# Altium PCB sFMC-98_s1.PcbDoc
Units mm, origin at the board's own origin, x right, y up, seen from the top; angles counter-clockwise.
Board outline 80.35 x 44 mm, 2 copper layers (Top Layer, Bottom Layer); 78 components, 112 nets, 420 pads, 130 vias.
Unrouted connection lines stored in the file: 79.
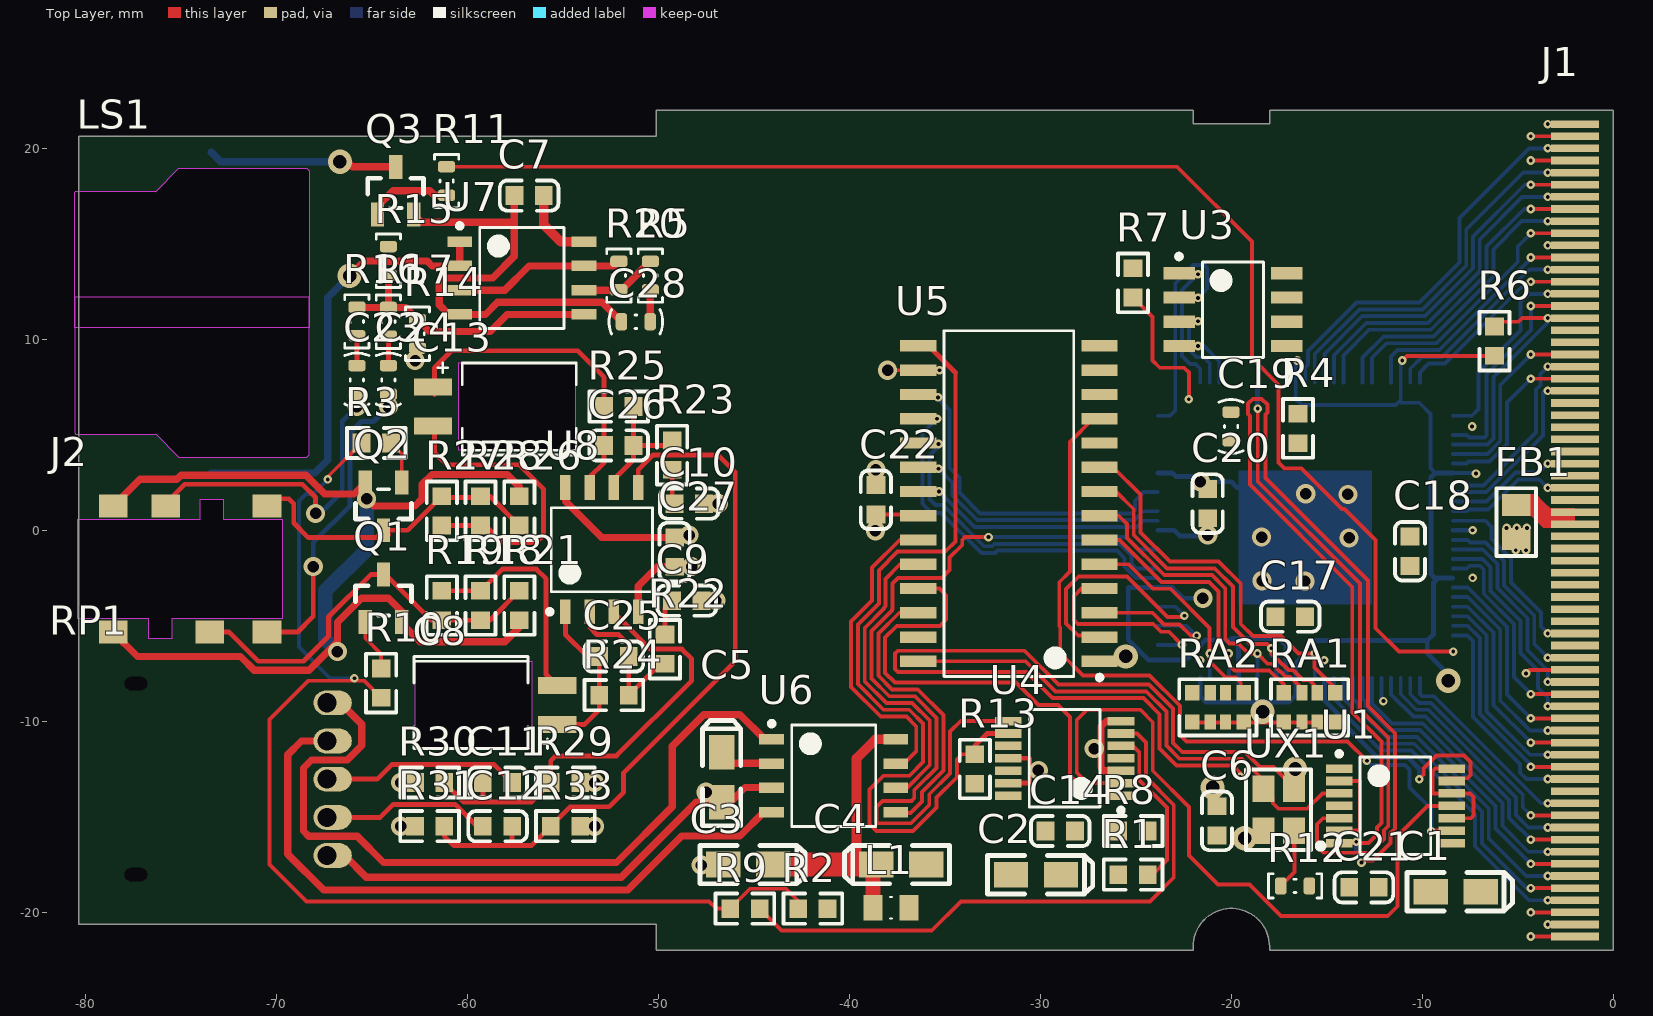
[diagram p0: Top Layer view]
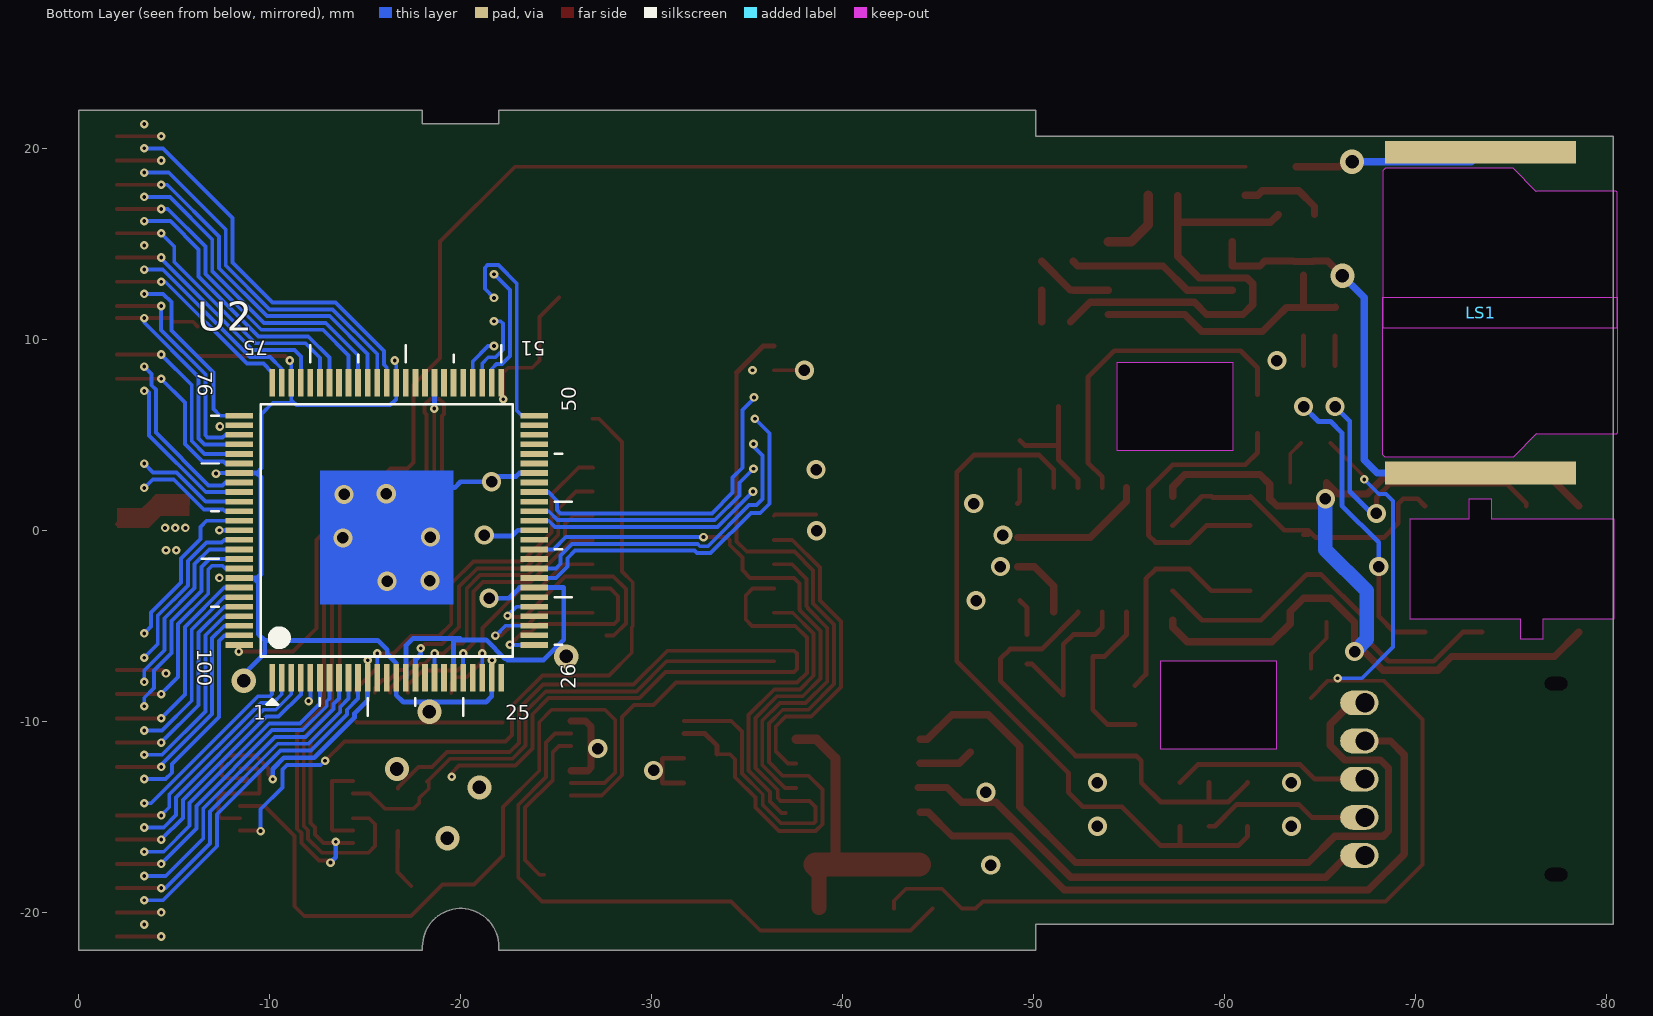
[diagram p1: Bottom Layer view, seen from below]
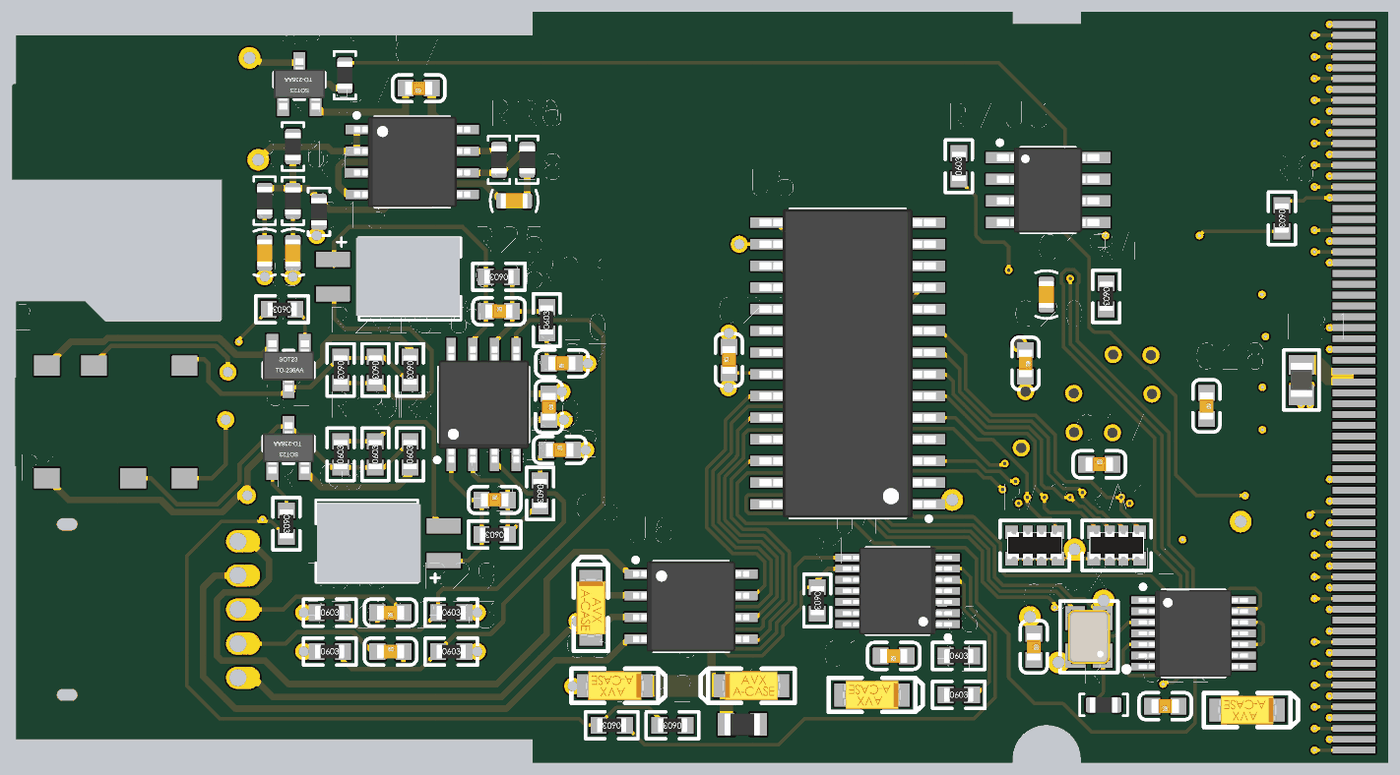
[diagram p2: 3D render of the assembled board from above, using the file's embedded part models]

## Layer stack, top to bottom
Top Solder: solder mask 0.0102, Solder Resist, Dk 3.5
Top Layer: signal copper 0.0356
Dielectric 1: dielectric 0.32, FR-4, Dk 4.8
Bottom Layer: signal copper 0.0356
Bottom Solder: solder mask 0.0102, Solder Resist, Dk 3.5

## Board outline
-80.35,-20.625 -50.1,-20.625 -50.1,-22 -22,-22 -22,-21.8 cw(c-20,-21.8) -18,-21.8 -18,-22 0,-22 0,22 -18,22 -18,21.3 -22,21.3 -22,22 -50.1,22 -50.1,20.625 -80.35,20.625
cut-out: -80.493,5.029 -76.352,5.029 -76.327,5.055 -75.108,3.835 -68.402,3.835 -68.275,3.962 -68.275,12.192 -80.569,12.192 -80.569,5.105
cut-out: -80.493,17.765 -76.352,17.765 -76.327,17.74 -75.108,18.959 -68.402,18.959 -68.275,18.832 -68.275,10.602 -80.569,10.602 -80.569,17.689
cut-out: -73.991,0.568 -73.991,1.618 -72.791,1.618 -72.791,0.568 -69.691,0.568 -69.691,-4.632 -75.491,-4.632 -75.491,-5.682 -76.691,-5.682 -76.691,-4.632 -80.391,-4.632 -80.391,0.568
cut-out: -54.356,4.191 -60.452,4.191 -60.452,8.763 -54.356,8.763
cut-out: -62.738,-6.858 -56.642,-6.858 -56.642,-11.43 -62.738,-11.43

## Design rules (kind name [scope] priority, off if disabled: settings)
Clearance [All] p1: gap=0.152 ignorepadtopadclearanceinfootprint=FALSE except(0: Arc-Hole Track-Hole SMDPad-Hole THPad-Hole Via-Hole Fill-Hole Poly-Hole Region-Hole Text-Hole)
PolygonConnect [All] p1: connectstyle=Relief reliefconductorwidth=0.254 reliefentries=4 polygonreliefangle="90 Angle" airgapwidth=0.254
RoutingVias [All] p1: holewidth=0.711 width=1.27 viastyle="Through Hole" minholewidth=0.711 minwidth=1.27 maxholewidth=0.711 maxwidth=1.27
SolderMaskExpansion [All] p1: expansion=0.102
Width [All] p1: maxlimit=1.27 minlimit=0.102 preferedwidth=0.203 minimp=50.000000 maximp=50.000000 favimp=50.000000
30 further rules are at their usual default settings.

## Components (designator, comment, footprint, x,y, rotation, side; value= is the part's Value field where it differs from the comment)
C1 "10uF (106) ±10% 16V" CASE-A_3216 -8.255,-18.923 r0 top
C2 "10uF (106) ±10% 16V" CASE-A_3216 -30.226,-18.034 r0 top
C3 "10uF (106) ±10% 16V" CASE-A_3216 -45.288,-17.501 r0 top
C4 "10uF (106) ±10% 16V" CASE-A_3216 -37.287,-17.501 r180 top
C5 "10uF (106) ±10% 16V" CASE-A_3216 -46.685,-12.929 r90 top
C6 "100nF (104) 10% 50V" 0603_C -20.752,-15.215 r270 top
C7 "100nF (104) 10% 50V" 0603_C -56.769,17.526 r180 top
C8 "Cap Elec" C-RB-4_5MM_Cutout -57.077,-9.144 r180 top value=10uF
C9 "100nF (104) 10% 50V" 0603_C -48.514,-3.683 r0 top
C10 "100nF (104) 10% 50V" 0603_C -48.387,1.397 r180 top
C11 "470nF (474) 10% 25V" 0603_C -58.42,-13.208 r180 top
C12 "470nF (474) 10% 25V" 0603_C -58.42,-15.494 r0 top
C13 "Cap Elec" C-RB-4_5MM_Cutout -60.017,6.477 r0 top value=10uF
C14 "100nF (104) 10% 50V" 0603_C -28.956,-15.748 r180 top
C17 "100nF (104) 10% 50V" 0603_C -16.916,-4.521 r0 top
C18 "100nF (104) 10% 50V" 0603_C -10.643,-1.092 r270 top
C19 "Cap" CEIA0603X04N -20.015,5.436 r90 top value=?F
C20 "100nF (104) 10% 50V" 0603_C -21.234,1.397 r270 top
C21 "100nF (104) 10% 50V" 0603_C -13.056,-18.694 r180 top
C22 "100nF (104) 10% 50V" 0603_C -38.608,1.6 r90 top
C23 "Cap" CEIA0603X04N -65.786,7.874 r90 top value=?F
C24 "Cap" CEIA0603X04N -64.135,7.874 r90 top value=?F
C25 "100nF (104) 10% 50V" 0603_C -52.324,-6.604 r0 top
C26 "100nF (104) 10% 50V" 0603_C -52.07,4.445 r0 top
C27 "100nF (104) 10% 50V" 0603_C -49.149,-1.143 r270 top
C28 "Cap" CEIA0603X04N -51.181,10.922 r0 top value=?F
FB1 "100Ω ±25% 100MHz" 0805_L -5.08,0.432 r270 top
J1 "PCMCIA Connector" PCF-SMT-K1 0,0 r270 top
J2 "PJK-242S-C" PJK-242S-C -80.391,-2.032 r0 top
L1 "Bead" L2012X10N_LQW21 -37.821,-19.761 r0 top value=1
LS1 "Buzzer" SPK_PCB_MOUNT -68.406,3.897 r90 top
Q1 "C945" SOT-23(SOT-23-3) -64.389,-3.556 r270 top
Q2 "C945" SOT-23(SOT-23-3) -64.389,1.25 r90 top
Q3 "C945" SOT-23(SOT-23-3) -63.754,17.78 r270 top
R1 "10KΩ (1002) ±1%" 0603_R -25.146,-18.034 r0 top
R2 "4.7KΩ (4701) ±1%" 0603_R -41.91,-19.812 r180 top
R3 "10KΩ (1002) ±1%" 0603_R -64.77,4.572 r180 top
R4 "10KΩ (1002) ±1%" 0603_R -16.51,5.334 r270 top
R5 "Res1" REIA0603X04N -50.419,13.335 r270 top value=1K
R6 "10KΩ (1002) ±1%" 0603_R -6.223,9.906 r270 top
R7 "10KΩ (1002) ±1%" 0603_R -25.146,12.954 r90 top
R8 "47KΩ (4702) ±1%" 0603_R -25.146,-15.748 r0 top
R9 "4.7KΩ (4701) ±1%" 0603_R -45.466,-19.812 r180 top
R10 "10KΩ (1002) ±1%" 0603_R -64.516,-8.001 r270 top
R11 "Res1" REIA0603X04N -61.087,18.288 r90 top value=1K
R12 "Res1" REIA0603X04N -16.662,-18.618 r180 top value=Opt
R13 "10KΩ (1002) ±1%" 0603_R -33.426,-12.497 r270 top
R14 "Res1" REIA0603X04N -62.611,10.287 r270 top value=473
R15 "Res1" REIA0603X04N -64.135,14.109 r270 top value=223
R16 "Res1" REIA0603X04N -65.786,10.934 r270 top value=1K
R17 "Res1" REIA0603X04N -64.135,10.922 r270 top value=1K
R18 "68Ω (68R0) ±1%" 0603_R -59.309,-3.937 r90 top
R19 "68Ω (68R0) ±1%" 0603_R -61.341,-3.937 r90 top
R20 "Res1" REIA0603X04N -52.07,13.335 r90 top value=823
R21 "47KΩ (4702) ±1%" 0603_R -57.277,-3.937 r90 top
R22 "10KΩ (1002) ±1%" 0603_R -49.657,-6.223 r270 top
R23 "10KΩ (1002) ±1%" 0603_R -49.276,3.937 r90 top
R24 "22KΩ (2202) ±1%" 0603_R -52.324,-8.636 r180 top
R25 "22KΩ (2202) ±1%" 0603_R -52.07,6.477 r180 top
R26 "47KΩ (4702) ±1%" 0603_R -57.277,1.016 r270 top
R27 "68Ω (68R0) ±1%" 0603_R -61.341,1.016 r270 top
R28 "68Ω (68R0) ±1%" 0603_R -59.309,1.016 r270 top
R29 "10KΩ (1002) ±1%" 0603_R -54.864,-13.208 r0 top
R30 "10KΩ (1002) ±1%" 0603_R -61.976,-13.208 r0 top
R31 "10KΩ (1002) ±1%" 0603_R -61.976,-15.494 r0 top
R33 "10KΩ (1002) ±1%" 0603_R -54.864,-15.494 r0 top
RA1 "10KΩ (103) ±5%" 0603_Rx4 -15.9,-9.271 r180 top
RA2 "10KΩ (103) ±5%" 0603_Rx4 -20.701,-9.271 r180 top
RP1 "RPot Generic B103" RPot_RK10J12E_ALPS -74.854,-13.03 r90 top
U1 "7474" TSSOP14_TSOP65P640X120-14N -11.405,-14.427 r0 top
U2 "Z86017/Z16017" VQFP100_TSQFP50P1600X1600X160-100N -16.129,0 r90 bottom locked
U3 "ST93C56_C57" "SOIC-8 NB" -19.914,11.557 r0 top
U4 "7404" TSSOP14_TSOP65P640X120-14N -28.727,-11.938 r180 top
U5 "YMF288-M SOP28" SOP127P1030X265-28N -31.648,1.397 r180 top
U6 "uPD6379A_AL" DMP8_SOIC127P680X175-8N -40.818,-12.852 r0 top
U7 "NJM3414AD/AM/AV" DMP8_SOIC127P680X175-8N -57.15,13.208 r0 top
U8 "NJM3414AD/AM/AV" DMP8_SOIC127P680X175-8N -52.959,-1.016 r90 top
UX1 "Crystal OSC" SMD-3225_4P -17.526,-14.63 r90 top

## Footprints (in the part's own frame and the unit in brackets; to place one, negate y for a bottom-side part, rotate by r counter-clockwise, add the part's x,y. Pads: shape width x height; smd on the part's side, far side on the other; paste and mask are expansions set on the pad)
0603_C [mm]
  rect 0.93x0.98 smd: 1(-0.77,0) 2(0.77,0)
  silkscreen extent -1.53,-0.79 1.54,0.79, body extent -0.8,-0.4 0.8,0.4, height 0.3
0603_R [mm]
  rect 0.93x0.98 smd: 1(-0.77,0) 2(0.77,0)
  silkscreen extent -1.53,-0.79 1.54,0.79, body extent -0.85,-0.4 0.85,0.4, height 0.56
0603_Rx4 [mm]
  rect 0.75x0.8 smd mask+0.051: 1(-1.35,-0.77) 4(1.35,-0.77) 5(1.35,0.77) 8(-1.35,0.77)
  rect 0.58x0.8 smd mask+0.051: 2(-0.4,-0.77) 3(0.4,-0.77) 6(0.4,0.77) 7(-0.4,0.77)
  silkscreen extent -2.03,-1.47 2.03,1.47, body extent -1.6,-0.8 1.6,0.8, height 0.55
0805_L [mm]
  rect 1.16x1.47 smd: 1(-0.89,0) 2(0.89,0)
  silkscreen extent -1.77,-1.04 1.77,1.03, body extent -1.02,-0.64 1.03,0.64, height 0.6
C-RB-4_5MM_Cutout [mm]
  rect 2x0.89 smd: 1(-1.778,1.016) 2(-1.778,-1.016)
  silkscreen extent -1.52,-2.54 5.71,2.29, body extent -2,-2 5,2, height 2
CASE-A_3216 [mm]
  rect 1.8x1.35 smd: 1(1.31,0) 2(-1.31,0)
  silkscreen extent -2.54,-1 2.97,1, body extent -1.7,-0.84 1.7,0.84, height 1.71
CEIA0603X04N [mm] "Chip Capacitor, 2-Leads, Body 1.55x0.85mm, Resistorguide Medium Density"
  rrect50% 0.6x0.9 smd: 1(-0.75,0) 2(0.75,0)
  silkscreen extent -1.4,-0.63 1.4,0.63, body extent -0.8,-0.45 0.8,0.45, height 0.45
DMP8_SOIC127P680X175-8N [mm] "SOIC, 8-Leads, Body 5.00x5.00mm, Pitch 1.27mm, IPC Medium Density"
  rect 1.3x0.55 smd: 1(-3.25,1.905) 2(-3.25,0.635) 3(-3.25,-0.635) 4(-3.25,-1.905) 5(3.25,-1.905) 6(3.25,-0.635) 7(3.25,0.635) 8(3.25,1.905)
  silkscreen extent -3.37,-2.65 2.2,2.85, body extent -3.4,-2.65 3.4,2.65, height 1.75
L2012X10N_LQW21 [mm] "Chip Inductor, 2-Leads, Body 2.00x1.20mm, IPC Medium Density, Murata LQW21 Series"
  rect 0.98x1.34 smd: 1(-0.94,0) 2(0.94,0)
  silkscreen extent -0.05,-0.57 0.05,0.57, body extent -1.05,-0.65 1.05,0.65, height 1
PCF-SMT-K1 [mm] "PCMCIA Female Single Side SMT"
  rect 0.4x2.5 smd: 1(-21.27,-2) 2(-20,-2) 3(-18.73,-2) 4(-17.46,-2) 5(-16.19,-2) 6(-14.92,-2) 7(-13.65,-2) 8(-12.38,-2) 9(-11.11,-2) 10(-9.84,-2) 11(-8.57,-2) 12(-7.3,-2) 13(-6.03,-2) 14(-4.76,-2) 15(-3.49,-2) 16(-2.22,-2) 17(-0.95,-2) 18(0.32,-2) 19(1.59,-2) 20(2.86,-2) 21(4.13,-2) 22(5.4,-2) 23(6.67,-2) 24(7.94,-2) 25(9.21,-2) 26(10.48,-2) 27(11.75,-2) 28(13.02,-2) 29(14.29,-2) 30(15.56,-2) 31(16.83,-2) 32(18.1,-2) 33(19.37,-2) 34(20.64,-2) 35(-20.635,-2) 36(-19.365,-2) 37(-18.095,-2) 38(-16.825,-2) 39(-15.555,-2) 40(-14.285,-2) 41(-13.015,-2) 42(-11.745,-2) 43(-10.475,-2) 44(-9.205,-2) 45(-7.935,-2) 46(-6.665,-2) 47(-5.395,-2) 48(-4.125,-2) 49(-2.855,-2) 50(-1.585,-2) 51(-0.315,-2) 52(0.955,-2) 53(2.225,-2) 54(3.495,-2) 55(4.765,-2) 56(6.035,-2) 57(7.305,-2) 58(8.575,-2) 59(9.845,-2) 60(11.115,-2) 61(12.385,-2) 62(13.655,-2) 63(14.925,-2) 64(16.195,-2) 65(17.465,-2) 66(18.735,-2) 67(20.005,-2) 68(21.27,-2)
  body extent -23.2,0 23.2,6, height 1.75
PJK-242S-C [mm]
  rect 1.5x1.2 smd: 1(1.85,-3.3) 3(9.9,3.3) 4(6.9,-3.3) 5(4.6,3.3) 6(9.9,-3.3)
  rect 1.5x1.2 smd mask+0.102: 2(1.85,3.3)
  body extent -1.5,-2.9 10.3,2.9, height 2.4
REIA0603X04N [mm] "Chip Resistor, 2-Leads, Body 1.55x0.85mm, Resistorguide Medium Density"
  rrect50% 0.6x0.9 smd: 1(-0.75,0) 2(0.75,0)
  silkscreen extent -1.4,-0.64 1.4,0.64, body extent -0.8,-0.45 0.8,0.45, height 0.45
RPot_RK10J12E_ALPS [mm] "Thru Hole Rotary Potentiometer"
  round 0 hole 0.7 slot 1.2 at 90 deg: 0(-5,2.5) 0(5,2.5)
  oval 1.3x2 hole 1 copper offset 0,-0.3: 1(-4,-7.5) 2(-2,-7.5) 3(0,-7.5) 4(2,-7.5) 5(4,-7.5)
  body extent -7,-7.5 7,7, height 1.8
SMD-3225_4P [mm]
  rect 1.4x1.15 smd: 1(-1.1,-0.8) 2(1.1,-0.8) 3(1.1,0.8) 4(-1.1,0.8)
  silkscreen extent -2.1,-2.35 2.1,1.7, body extent -1.6,-1.25 1.6,1.25, height 0.61
"SOIC-8 NB" [mm] "SOIC, 8-Leads, Body 4.90x3.90mm, Pitch 1.27mm, IPC Low Density"
  rect 1.65x0.65 smd: 1(-2.825,1.905) 2(-2.825,0.635) 3(-2.825,-0.635) 4(-2.825,-1.905) 5(2.825,-1.905) 6(2.825,-0.635) 7(2.825,0.635) 8(2.825,1.905)
  silkscreen extent -2.95,-2.5 1.6,2.9, body extent -3,-2.5 3,2.5, height 1.75
SOP127P1030X265-28N [mm] "SOP, 28-Leads, Body 17.90x7.50mm, Pitch 1.27mm, IPC Medium Density"
  rect 1.9x0.6 smd: 1(-4.75,8.255) 2(-4.75,6.985) 3(-4.75,5.715) 4(-4.75,4.445) 5(-4.75,3.175) 6(-4.75,1.905) 7(-4.75,0.635) 8(-4.75,-0.635) 9(-4.75,-1.905) 10(-4.75,-3.175) 11(-4.75,-4.445) 12(-4.75,-5.715) 13(-4.75,-6.985) 14(-4.75,-8.255) 15(4.75,-8.255) 16(4.75,-6.985) 17(4.75,-5.715) 18(4.75,-4.445) 19(4.75,-3.175) 20(4.75,-1.905) 21(4.75,-0.635) 22(4.75,0.635) 23(4.75,1.905) 24(4.75,3.175) 25(4.75,4.445) 26(4.75,5.715) 27(4.75,6.985) 28(4.75,8.255)
  silkscreen extent -4.88,-9.05 3.4,9.23, body extent -5.16,-9.05 5.16,9.05, height 2.65
SOT-23(SOT-23-3) [mm]
  rect 1.25x0.7 smd: 1(1.25,-0.95) 2(1.25,0.95) 3(-1.25,0)
  silkscreen extent -0.65,-1.46 0.9,1.46, body extent -1.5,-1.5 1.5,1.5, height 1.3
SPK_PCB_MOUNT [mm]
  rect 1.2x10 smd far side: 1(-0.9,5) 2(15.9,5)
  body extent 0,0 15,12, height 3
TSSOP14_TSOP65P640X120-14N [mm] "TSOP, 14-Leads, Body 5.00x4.40mm, Pitch 0.65mm, IPC Medium Density"
  rect 1.4x0.45 smd: 1(-2.95,1.95) 2(-2.95,1.3) 3(-2.95,0.65) 4(-2.95,0) 5(-2.95,-0.65) 6(-2.95,-1.3) 7(-2.95,-1.95) 8(2.95,-1.95) 9(2.95,-1.3) 10(2.95,-0.65) 11(2.95,0) 12(2.95,0.65) 13(2.95,1.3) 14(2.95,1.95)
  silkscreen extent -3.07,-2.55 1.85,2.85, body extent -3.2,-2.55 3.2,2.55, height 1.2
VQFP100_TSQFP50P1600X1600X160-100N [mm] "TSQFP, 100-Leads, Body 14.00x14.00mm, Pitch 0.50mm, IPC Medium Density"
  rect 1.45x0.3 smd: 1(-7.725,6) 2(-7.725,5.5) 3(-7.725,5) 4(-7.725,4.5) 5(-7.725,4) 6(-7.725,3.5) 7(-7.725,3) 8(-7.725,2.5) 9(-7.725,2) 10(-7.725,1.5) 11(-7.725,1) 12(-7.725,0.5) 13(-7.725,0) 14(-7.725,-0.5) 15(-7.725,-1) 16(-7.725,-1.5) 17(-7.725,-2) 18(-7.725,-2.5) 19(-7.725,-3) 20(-7.725,-3.5) 21(-7.725,-4) 22(-7.725,-4.5) 23(-7.725,-5) 24(-7.725,-5.5) 25(-7.725,-6) 51(7.725,-6) 52(7.725,-5.5) 53(7.725,-5) 54(7.725,-4.5) 55(7.725,-4) 56(7.725,-3.5) 57(7.725,-3) 58(7.725,-2.5) 59(7.725,-2) 60(7.725,-1.5) 61(7.725,-1) 62(7.725,-0.5) 63(7.725,0) 64(7.725,0.5) 65(7.725,1) 66(7.725,1.5) 67(7.725,2) 68(7.725,2.5) 69(7.725,3) 70(7.725,3.5) 71(7.725,4) 72(7.725,4.5) 73(7.725,5) 74(7.725,5.5) 75(7.725,6)
  rect 0.3x1.45 smd: 26(-6,-7.725) 27(-5.5,-7.725) 28(-5,-7.725) 29(-4.5,-7.725) 30(-4,-7.725) 31(-3.5,-7.725) 32(-3,-7.725) 33(-2.5,-7.725) 34(-2,-7.725) 35(-1.5,-7.725) 36(-1,-7.725) 37(-0.5,-7.725) 38(0,-7.725) 39(0.5,-7.725) 40(1,-7.725) 41(1.5,-7.725) 42(2,-7.725) 43(2.5,-7.725) 44(3,-7.725) 45(3.5,-7.725) 46(4,-7.725) 47(4.5,-7.725) 48(5,-7.725) 49(5.5,-7.725) 50(6,-7.725) 76(6,7.725) 77(5.5,7.725) 78(5,7.725) 79(4.5,7.725) 80(4,7.725) 81(3.5,7.725) 82(3,7.725) 83(2.5,7.725) 84(2,7.725) 85(1.5,7.725) 86(1,7.725) 87(0.5,7.725) 88(0,7.725) 89(-0.5,7.725) 90(-1,7.725) 91(-1.5,7.725) 92(-2,7.725) 93(-2.5,7.725) 94(-3,7.725) 95(-3.5,7.725) 96(-4,7.725) 97(-4.5,7.725) 98(-5,7.725) 99(-5.5,7.725) 100(-6,7.725)
  silkscreen extent -9.7,-9.7 9.7,9.7, body extent -8,-8 8,8, height 1.6

## Part data
C1 C2 C3 C4 C5: library part "3216 10uF (106) 10% 16V", "钽电容", Package=3216, SuppliersPartNumber=C7171, ComponentLink1Description=供应商, ComponentLink1URL=http://www.szlcsc.com/product/details_7643.html, Supplier=LC
C6 C7 C9 C10 C14 C17 C18 C20 C21 C22 C25 C26 C27: library part "0603 100nF (104) 10% 50V", "贴片电容", Package=0603, SuppliersPartNumber=C14663, ComponentLink1Description=供应商, ComponentLink1URL=http://www.szlcsc.com/product/details_15331.html, Supplier=LC
C8 C13: library part "Cap Pol3", "Polarized Capacitor (Surface Mount)", LatestRevisionDate=29-May-2009, LatestRevisionNote="IPC-7351 Footprint Added.", PackageDescription="Chip Capacitor", PackageReference=C0805, Published=8-Jun-2000, Publisher="Altium Limited"
C11 C12: library part "0603 470nF (474) 10% 25V", "贴片电容", Package=0603, SuppliersPartNumber=C1623, ComponentLink1Description=供应商, ComponentLink1URL=http://www.szlcsc.com/product/details_1975.html, Supplier=LC
C19 C23 C24 C28: "Capacitor", LatestRevisionDate=17-Jul-2002, LatestRevisionNote="Re-released for DXP Platform.", PackageDescription="Radial Cap, Thru-Hole; 2 Leads; 0.3 in Pin Spacing", PackageReference=RAD-0.3, Published=8-Jun-2000, Publisher="Altium Limited"
FB1: library part "0805 100Ω 25% 100MHz", "贴片磁珠", Package=0805, SuppliersPartNumber=C1015, ComponentLink1Description=供应商, ComponentLink1URL=http://www.szlcsc.com/product/details_1367.html, Supplier=LC
J1: library part PCMCIA_Conn
J2: "2.5mm Headphone Jack"
L1: library part Inductor, "Inductor", Code_IEC=1005, Code_JEITA=0402, LatestRevisionDate=29-May-2009, LatestRevisionNote="IPC-7351 Footprint Added.", PackageDescription="Chip Inductor", PackageReference=0402-A, Published=8-Jun-2000, Publisher="Altium Limited"
LS1: "Magnetic Transducer Buzzer", ComponentLink1Description="Manufacturer Link", ComponentLink1URL=http://www.megastar.com/linecard/buzzmode/index.php, DatasheetVersion=17-Dec-2003, LatestRevisionDate=17-Dec-2003, LatestRevisionNote="Schematic revised, PCB Footprint replaced.", PackageDescription="Magnetic Transducer Buzzer", PackageReference=ABSM-1574, Published=24-Mar-1999, Publisher="Altium Limited"
Q1 Q2 Q3: library part "SOT-23 SS8050 Y1", "三极管", Package=SOT-23, SuppliersPartNumber=C2150, ComponentLink1Description=供应商, ComponentLink1URL=http://www.szlcsc.com/product/details_2507.html, Supplier=LC
R1 R3 R4 R6 R7 R10 R13 R22 R23 R29 R30 R31 R33: library part "0603 10KΩ (1002) 1%", "贴片电阻", Package=0603, SuppliersPartNumber=C25804, ComponentLink1Description=供应商, ComponentLink1URL=http://www.szlcsc.com/product/details_26547.html, Supplier=LC
R2 R9: library part "0603 4.7KΩ (4701) 1%", "贴片电阻", Package=0603, SuppliersPartNumber=C23162, ComponentLink1Description=供应商, ComponentLink1URL=http://www.szlcsc.com/product/details_23889.html, Supplier=LC
R5 R11 R12 R14 R15 R16 R17 R20: "Resistor", LatestRevisionDate=17-Jul-2002, LatestRevisionNote="Re-released for DXP Platform.", PackageDescription="Axial Device, Thru-Hole; 2 Leads; 0.3 in Pin Spacing", PackageReference=AXIAL-0.3, Published=8-Jun-2000, Publisher="Altium Limited"
R8 R21 R26: library part "0603 47KΩ (4702) 1%", "贴片电阻", Package=0603, SuppliersPartNumber=C25819, ComponentLink1Description=供应商, ComponentLink1URL=http://www.szlcsc.com/product/details_26562.html, Supplier=LC
R18 R19 R27 R28: library part "0603 68Ω (68R0) 1%", "贴片电阻", Package=0603, SuppliersPartNumber=C27592, ComponentLink1Description=供应商, ComponentLink1URL=http://www.szlcsc.com/product/details_28341.html, Supplier=LC
R24 R25: library part "0603 22KΩ (2202) 1%", "贴片电阻", Package=0603, SuppliersPartNumber=C31850, ComponentLink1Description=供应商, ComponentLink1URL=http://www.szlcsc.com/product/details_32812.html, Supplier=LC
RA1 RA2: library part "0603*4  10KΩ (103) 5%", "贴片排阻", Package=0603*4, SuppliersPartNumber=C29718, ComponentLink1Description=供应商, ComponentLink1URL=http://www.szlcsc.com/product/details_30472.html, Supplier=LC
RP1: library part RPot_Generic_Bxxx
U1: library part 7474_J_N_1, "Dual D-Type Positive-Edge-Triggered Flip-Flops With Preset And Clear"
U2: library part ZX6017
U3: "2K (128 x 16 or 256 x 8) SERIAL MICROWIRE EEPROM"
U4: library part 7404_J_N_1, "Hex Inverter"
U5: library part YMF288_M
U6: "2-CHANNEL 16-BIT D/A CONVERTER FOR AUDIO APPLICATION"
U7 U8: library part NJM3414AD_AM_AV_1, "Single-Supply Dual High Current Operational Amplifier"
UX1: library part XTAL_OSC, Freq=7.98MHz

## Via types
v1: diameter 0.45, hole 0.2, Top Layer to Bottom Layer, 91 vias
v2: diameter 1, hole 0.6, Top Layer to Bottom Layer, 31 vias
v3: diameter 1.27, hole 0.711, Top Layer to Bottom Layer, 8 vias
